# Altium PCB OCP-TimeCardMini-TI_V1.PcbDoc (part 1 of 11) (continued)
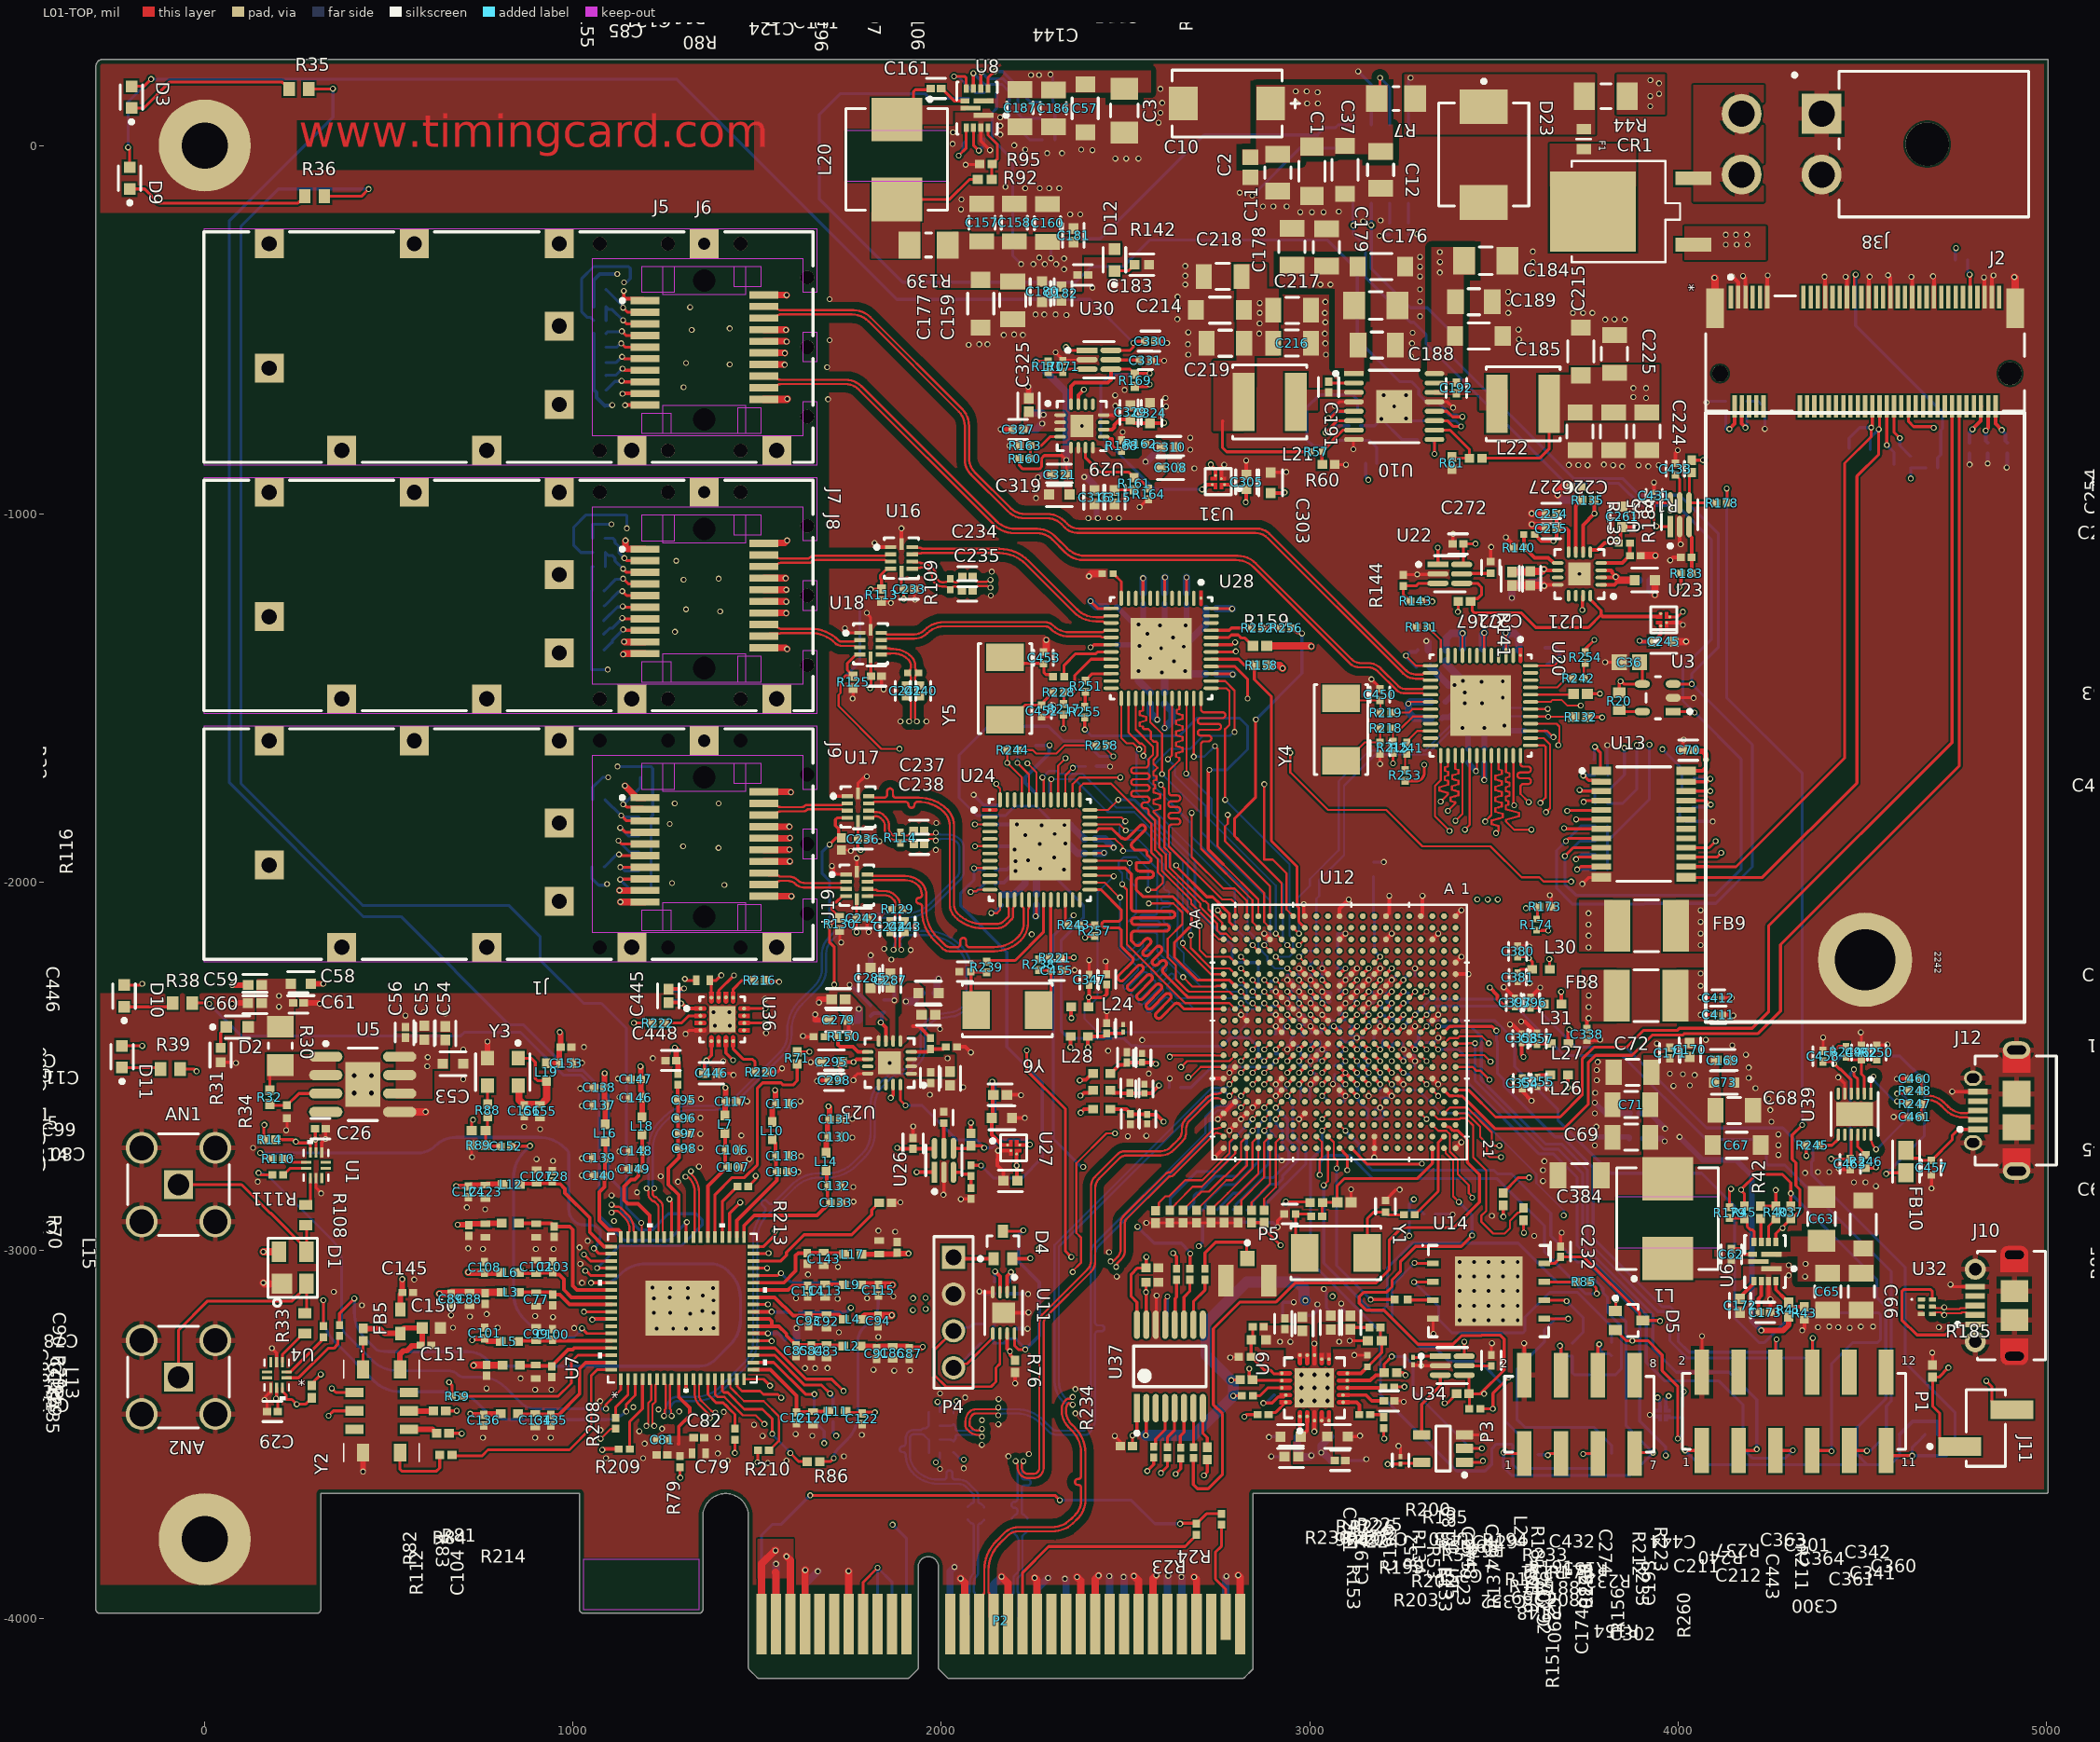
[diagram p0: L01-TOP view]
## Components (designator, comment, footprint, x,y, rotation, side; value= is the part's Value field where it differs from the comment) (continued)
C42 "0.1uF_25V_0402" FP-0402-L_1_0_1-W_0_5_0_1-IPC_C 1592.52,-1818.86 r0 bottom
C43 "10uF_6.3V_0603" FP-C0603C106M9PACTU-MFG 1306.85,-1981.15 r270 bottom value=10uF
C44 "CAP_0402_0.1UF_50V" CAPC1005X06N 2071.96,-3713.88 r90 bottom value=0.1UF
C45 "CAP_0402_0.1UF_50V" CAPC1005X06N 2116.36,-3714.17 r90 bottom value=0.1UF
C46 "CAP_0402_0.1UF_50V" CAPC1005X06N 2191.32,-3744.49 r90 bottom value=0.1UF
C47 "CAP_0402_0.1UF_50V" CAPC1005X06N 2233.3,-3744.49 r90 bottom value=0.1UF
C48 "4.7uF_10V_0603" CAPC1608X87X35NL15T15 1363.41,-1981.15 r90 bottom
C49 "0.1uF_25V_0402" FP-0402-L_1_0_1-W_0_5_0_1-IPC_C 1345.53,-1906.34 r180 bottom
C50 "10uF_6.3V_0603" FP-C0603C106M9PACTU-MFG 1471.37,-2025.44 r270 bottom value=10uF
C51 "4.7uF_10V_0603" CAPC1608X87X35NL15T15 1535.9,-1985.08 r90 bottom
C52 "0.1uF_25V_0402" FP-0402-L_1_0_1-W_0_5_0_1-IPC_C 1599.27,-1975.78 r0 bottom
C53 "10uF_16V_0603" FP-0603-L_1_6_0_2-W_0_8_0-MFG 673.97,-2492.86 r0 top
C54 "2.2uF_16V_0402" FP-C1005-050-0_05-IPC_A 652.86,-2410.66 r90 top
C55 "1uF_16V_0402" FP-0402-L_1_0_0_05-W_0_5-IPC_A 596.56,-2408.79 r90 top
C56 "0.1uF_25V_0402" FP-0402-L_1_0_1-W_0_5_0_1-IPC_C 545.1,-2407.71 r90 top
C57 "47uF_25V_1206" FP-C3216-160-0_2-MFG 2390.58,101.23 r270 top
C58 "10uF_16V_0603" FP-0603-L_1_6_0_2-W_0_8_0-MFG 260.95,-2275.85 r0 top
C59 "2.2uF_16V_0402" FP-C1005-050-0_05-IPC_A 135.83,-2279.43 r180 top
C60 "1uF_16V_0402" FP-0402-L_1_0_0_05-W_0_5-IPC_A 135.83,-2328.24 r180 top
C61 "0.1uF_25V_0402" FP-0402-L_1_0_1-W_0_5_0_1-IPC_C 254.11,-2328.24 r0 top
C62 "0.1uF_25V_0402" FP-0402-L_1_0_1-W_0_5_0_1-IPC_C 4144.81,-3010.48 r90 top
C63 "10uF_25V_1206" FP-1206-L_3_2_0_2-W_1_6_0-IPC_A 4389.54,-2914.41 r90 top
C64 "47uF_25V_1206" FP-C3216-160-0_2-MFG 4503.32,-2929.26 r90 top
C65 "4.7uF_50V_1206" FP-GRM31C-0_2-e0_3_0_8-IPC_C 4406.55,-3111.86 r270 top
C66 "4.7uF_50V_1206" FP-GRM31C-0_2-e0_3_0_8-IPC_C 4497.6,-3111.86 r270 top
C67 "47uF_16V_1206" FP-C3216-160-0_2-MFG 4159.32,-2714.42 r0 top
C68 "22uF_6.3V_1206" FP-1206-L_3_2_0_2-W_1_6_0-IPC_C 4152.74,-2619.93 r0 top
C69 "22uF_6.3V_1206" FP-1206-L_3_2_0_2-W_1_6_0-IPC_C 3873.21,-2692.37 r180 top
C70 "0.1uF_25V_0402" FP-0402-L_1_0_1-W_0_5_0_1-IPC_C 4027.73,-1641.73 r180 top
C71 "22uF_6.3V_1206" FP-1206-L_3_2_0_2-W_1_6_0-IPC_C 3873.21,-2604.18 r180 top
C72 "22uF_6.3V_1206" FP-1206-L_3_2_0_2-W_1_6_0-IPC_C 3876.82,-2516.44 r180 top
C73 "10uF_16V_0603" FP-0603-L_1_6_0_2-W_0_8_0-MFG 4125.64,-2543.79 r0 top
C74 "2.2nF_25V_0402" CAPC1005X56X25LL10T15 1591.32,-3242.9 r180 bottom
C75 "10uF_10V_0402" FP-CL05A106MP5NUNC-MFG 1103.88,-3186.13 r0 bottom value=10uF
C76 "0.1uF_25V_0402" FP-0402-L_1_0_1-W_0_5_0_1-IPC_C 2203.16,-3225.52 r90 bottom
C77 "10uF_10V_0402" FP-CL05A106MP5NUNC-MFG 899.58,-3133.15 r270 top value=10uF
C78 "0.1uF_25V_0402" FP-0402-L_1_0_1-W_0_5_0_1-IPC_C 945.4,-3134.53 r270 top
C79 "10uF_10V_0402" FP-CL05A106MP5NUNC-MFG 1341.1,-3551.17 r0 top value=10uF
C80 "0.1uF_25V_0402" FP-0402-L_1_0_1-W_0_5_0_1-IPC_C 1241.55,-3554.93 r180 top
C81 "0.1uF_25V_0402" FP-0402-L_1_0_1-W_0_5_0_1-IPC_C 1242.94,-3513.54 r180 top
C82 "0.1uF_25V_0402" FP-0402-L_1_0_1-W_0_5_0_1-IPC_C 1341.94,-3508.62 r0 top
C83 "10uF_10V_0402" FP-CL05A106MP5NUNC-MFG 1688.51,-3273.53 r270 top value=10uF
C84 "0.1uF_25V_0402" FP-0402-L_1_0_1-W_0_5_0_1-IPC_C 1647.11,-3272.45 r270 top
C85 "0.1uF_25V_0402" FP-0402-L_1_0_1-W_0_5_0_1-IPC_C 1605.34,-3272.67 r270 top
C86 "10uF_10V_0402" FP-CL05A106MP5NUNC-MFG 1867.63,-3278.23 r270 top value=10uF
C87 "0.1uF_25V_0402" FP-0402-L_1_0_1-W_0_5_0_1-IPC_C 1913.16,-3279.72 r270 top
C88 "10uF_10V_0402" FP-CL05A106MP5NUNC-MFG 719.26,-3132.06 r270 top value=10uF
C89 "0.1uF_25V_0402" FP-0402-L_1_0_1-W_0_5_0_1-IPC_C 668.6,-3132.06 r270 top
C90 "0.1uF_25V_0402" FP-0402-L_1_0_1-W_0_5_0_1-IPC_C 761.37,-3131.04 r270 top
C91 "0.1uF_25V_0402" FP-0402-L_1_0_1-W_0_5_0_1-IPC_C 1824.35,-3279.72 r270 top
C92 "10uF_10V_0402" FP-CL05A106MP5NUNC-MFG 1688.51,-3193.09 r270 top value=10uF
C93 "0.1uF_25V_0402" FP-0402-L_1_0_1-W_0_5_0_1-IPC_C 1640.04,-3191.81 r270 top
C94 "0.1uF_25V_0402" FP-0402-L_1_0_1-W_0_5_0_1-IPC_C 1828.29,-3191.3 r270 top
C95 "10uF_10V_0402" FP-CL05A106MP5NUNC-MFG 1301.28,-2591.7 r0 top value=10uF
C96 "0.1uF_25V_0402" FP-0402-L_1_0_1-W_0_5_0_1-IPC_C 1301.28,-2641.16 r0 top
C97 "0.1uF_25V_0402" FP-0402-L_1_0_1-W_0_5_0_1-IPC_C 1302.29,-2682.64 r0 top
C98 "0.1uF_25V_0402" FP-0402-L_1_0_1-W_0_5_0_1-IPC_C 1301.72,-2723.88 r0 top
C99 "10uF_10V_0402" FP-CL05A106MP5NUNC-MFG 899.58,-3226.81 r90 top value=10uF
C100 "0.1uF_25V_0402" FP-0402-L_1_0_1-W_0_5_0_1-IPC_C 944.22,-3228.02 r90 top
C101 "0.1uF_25V_0402" FP-0402-L_1_0_1-W_0_5_0_1-IPC_C 759.84,-3224.02 r90 top
C102 "10uF_10V_0402" FP-CL05A106MP5NUNC-MFG 900.02,-3044.22 r90 top value=10uF
C103 "0.1uF_25V_0402" FP-0402-L_1_0_1-W_0_5_0_1-IPC_C 945.4,-3044.22 r90 top
C104 "10uF_10V_0402" FP-CL05A106MP5NUNC-MFG 1353.1,-2266.73 r180 top value=10uF
C105 "0.1uF_25V_0402" FP-0402-L_1_0_1-W_0_5_0_1-IPC_C 1375.54,-2518.84 r0 bottom
C106 "10uF_10V_0402" FP-CL05A106MP5NUNC-MFG 1431.35,-2727.28 r0 top value=10uF
C107 "0.1uF_25V_0402" FP-0402-L_1_0_1-W_0_5_0_1-IPC_C 1433.4,-2773.62 r0 top
C108 "0.1uF_25V_0402" FP-0402-L_1_0_1-W_0_5_0_1-IPC_C 759.4,-3045.71 r90 top
C109 "10uF_10V_0402" FP-CL05A106MP5NUNC-MFG 761.37,-2946.1 r270 top value=10uF
C110 "0.1uF_25V_0402" FP-0402-L_1_0_1-W_0_5_0_1-IPC_C 717.54,-2946.1 r270 top
C111 "10uF_10V_0402" FP-CL05A106MP5NUNC-MFG 900.02,-2946.1 r270 top value=10uF
C112 "0.1uF_25V_0402" FP-0402-L_1_0_1-W_0_5_0_1-IPC_C 948.19,-2949.06 r270 top
C113 "10uF_10V_0402" FP-CL05A106MP5NUNC-MFG 1684.33,-3109.7 r270 top value=10uF
C114 "0.1uF_25V_0402" FP-0402-L_1_0_1-W_0_5_0_1-IPC_C 1637,-3109.96 r270 top
C115 "0.1uF_25V_0402" FP-0402-L_1_0_1-W_0_5_0_1-IPC_C 1828.73,-3107.58 r270 top
C116 "10uF_10V_0402" FP-CL05A106MP5NUNC-MFG 1567.43,-2601.54 r0 top value=10uF
C117 "0.1uF_25V_0402" FP-0402-L_1_0_1-W_0_5_0_1-IPC_C 1428.81,-2595.19 r0 top
C118 "10uF_10V_0402" FP-CL05A106MP5NUNC-MFG 1567.43,-2743.66 r0 top value=10uF
C119 "0.1uF_25V_0402" FP-0402-L_1_0_1-W_0_5_0_1-IPC_C 1567.43,-2786.25 r0 top
C120 "10uF_10V_0402" FP-CL05A106MP5NUNC-MFG 1651.26,-3455.47 r270 top value=10uF
C121 "0.1uF_25V_0402" FP-0402-L_1_0_1-W_0_5_0_1-IPC_C 1606.95,-3454.97 r270 top
C122 "0.1uF_25V_0402" FP-0402-L_1_0_1-W_0_5_0_1-IPC_C 1784.68,-3457.16 r270 top
C123 "10uF_10V_0402" FP-CL05A106MP5NUNC-MFG 761.88,-2840.47 r270 top value=10uF
C124 "0.1uF_25V_0402" FP-0402-L_1_0_1-W_0_5_0_1-IPC_C 716.36,-2840.71 r270 top
C125 "10uF_10V_0402" FP-CL05A106MP5NUNC-MFG 899.15,-3328.96 r270 top value=10uF
C126 "0.1uF_25V_0402" FP-0402-L_1_0_1-W_0_5_0_1-IPC_C 942.24,-3329.49 r270 top
C127 "10uF_10V_0402" FP-CL05A106MP5NUNC-MFG 900.97,-2799.46 r90 top value=10uF
C128 "0.1uF_25V_0402" FP-0402-L_1_0_1-W_0_5_0_1-IPC_C 943.37,-2798.67 r90 top
C129 "0.1uF_25V_0402" FP-0402-L_1_0_1-W_0_5_0_1-IPC_C 765.49,-3325.73 r270 top
C130 "10uF_10V_0402" FP-CL05A106MP5NUNC-MFG 1708.95,-2692.03 r0 top value=10uF
C131 "0.1uF_25V_0402" FP-0402-L_1_0_1-W_0_5_0_1-IPC_C 1710.66,-2643.79 r0 top
C132 "10uF_10V_0402" FP-CL05A106MP5NUNC-MFG 1708.95,-2824.5 r0 top value=10uF
C133 "0.1uF_25V_0402" FP-0402-L_1_0_1-W_0_5_0_1-IPC_C 1713.19,-2870.18 r0 top
C134 "10uF_10V_0402" FP-CL05A106MP5NUNC-MFG 897.15,-3460.76 r270 top value=10uF
C135 "0.1uF_25V_0402" FP-0402-L_1_0_1-W_0_5_0_1-IPC_C 939.26,-3460.76 r270 top
C136 "0.1uF_25V_0402" FP-0402-L_1_0_1-W_0_5_0_1-IPC_C 757.26,-3460.76 r270 top
C137 "10uF_10V_0402" FP-CL05A106MP5NUNC-MFG 1071.24,-2605.77 r180 top value=10uF
C138 "0.1uF_25V_0402" FP-0402-L_1_0_1-W_0_5_0_1-IPC_C 1071.24,-2558.06 r180 top
C139 "10uF_10V_0402" FP-CL05A106MP5NUNC-MFG 1070.55,-2748.83 r180 top value=10uF
C140 "0.1uF_25V_0402" FP-0402-L_1_0_1-W_0_5_0_1-IPC_C 1070.55,-2796.73 r180 top
C141 "10uF_10V_0402" FP-CL05A106MP5NUNC-MFG 1831.47,-2991.88 r90 top value=10uF
C142 "0.1uF_25V_0402" FP-0402-L_1_0_1-W_0_5_0_1-IPC_C 1880.02,-2991.88 r90 top
C143 "10uF_10V_0402" FP-CL05A106MP5NUNC-MFG 1681.14,-3022.88 r270 top value=10uF
C144 "0.1uF_25V_0402" FP-0402-L_1_0_1-W_0_5_0_1-IPC_C 1635.1,-3021.64 r270 top
C145 "0.1uF_50V_0402" FP-C1005-050-0_05-IPC_C 551,-3114.37 r180 top
C146 "10uF_10V_0402" FP-CL05A106MP5NUNC-MFG 1169.92,-2585.66 r180 top value=10uF
C147 "0.1uF_25V_0402" FP-0402-L_1_0_1-W_0_5_0_1-IPC_C 1169.92,-2534.96 r180 top
C148 "10uF_10V_0402" FP-CL05A106MP5NUNC-MFG 1170.34,-2728.98 r180 top value=10uF
C149 "0.1uF_25V_0402" FP-0402-L_1_0_1-W_0_5_0_1-IPC_C 1164.56,-2778.5 r180 top
C150 "10uF_25V_0603" FP-CL10-IPC_C 615.04,-3210.51 r0 top
C151 "0.1uF_50V_0402" FP-C1005-050-0_05-IPC_C 600.38,-3257.67 r180 top
C152 "0.1uF_25V_0402" FP-0402-L_1_0_1-W_0_5_0_1-IPC_C 817.65,-2717.03 r0 top
C153 "10uF_10V_0402" FP-CL05A106MP5NUNC-MFG 980.78,-2491.29 r0 top value=10uF
C154 "0.1uF_25V_0402" FP-0402-L_1_0_1-W_0_5_0_1-IPC_C 980.78,-2448.42 r0 top
C155 "10uF_10V_0402" FP-CL05A106MP5NUNC-MFG 910.5,-2622.27 r270 top value=10uF
C156 "0.1uF_25V_0402" FP-0402-L_1_0_1-W_0_5_0_1-IPC_C 867.15,-2620.53 r270 top
C157 "22uF_6.3V_1206" FP-1206-L_3_2_0_2-W_1_6_0-IPC_C 2109.88,-209.41 r90 top
C158 "22uF_6.3V_1206" FP-1206-L_3_2_0_2-W_1_6_0-IPC_C 2198.04,-209.41 r90 top
C159 "22uF_6.3V_1206" FP-1206-L_3_2_0_2-W_1_6_0-IPC_C 2193.73,-420.08 r270 top
C160 "22uF_6.3V_1206" FP-1206-L_3_2_0_2-W_1_6_0-IPC_C 2287.91,-210.57 r90 top
C161 "0.1uF_25V_0402" FP-0402-L_1_0_1-W_0_5_0_1-IPC_C 1985.07,154.99 r0 top
C162 "1uF_16V_0402" FP-0402-L_1_0_0_05-W_0_5-IPC_A 2067.58,32.77 r90 bottom
C163 "DNI_0.1uF_25V_0402" FP-0402-L_1_0_1-W_0_5_0_1-IPC_C 2114.83,32.77 r90 bottom
C164 "0.1uF_25V_0402" FP-0402-L_1_0_1-W_0_5_0_1-IPC_C 4129.48,-708.68 r90 bottom
C165 "0.1uF_25V_0402" FP-0402-L_1_0_1-W_0_5_0_1-IPC_C 4187.01,-708.68 r90 bottom
C166 "0.1uF_25V_0402" FP-0402-L_1_0_1-W_0_5_0_1-IPC_C 4791.34,-821.85 r270 bottom
C167 "0.1uF_25V_0402" FP-0402-L_1_0_1-W_0_5_0_1-IPC_C 4840.55,-821.85 r270 bottom
C168 "0.1uF_25V_0402" FP-0402-L_1_0_1-W_0_5_0_1-IPC_C 4893.7,-821.85 r270 bottom
C169 "2.2uF_16V_0402" FP-C1005-050-0_05-IPC_A 4121.6,-2483.78 r0 top
C170 "1uF_16V_0402" FP-0402-L_1_0_0_05-W_0_5-IPC_A 4032.17,-2455.51 r90 top
C171 "0.1uF_25V_0402" FP-0402-L_1_0_1-W_0_5_0_1-IPC_C 3977.93,-2463.59 r90 top
C172 "1uF_16V_0402" FP-0402-L_1_0_0_05-W_0_5-IPC_A 4168.43,-3149.85 r270 top
C173 "DNI_0.1uF_25V_0402" FP-0402-L_1_0_1-W_0_5_0_1-IPC_C 4236.15,-3168.35 r0 top
C174 "0.01uF_50V_0402" CAPC1005X55X30LL05T10 2860.26,-3207.04 r180 top
C175 "10uF_25V_1206" FP-1206-L_3_2_0_2-W_1_6_0-IPC_A 3179.39,-434.52 r0 top
C176 "47uF_25V_1206" FP-C3216-160-0_2-MFG 3194.63,-328.97 r0 top
C177 "47uF_16V_1206" FP-C3216-160-0_2-MFG 2106.95,-429.55 r270 top
C178 "4.7uF_50V_1206" FP-GRM31C-0_2-e0_3_0_8-IPC_C 2952.05,-274.73 r90 top
C179 "4.7uF_50V_1206" FP-GRM31C-0_2-e0_3_0_8-IPC_C 3045.46,-276.61 r90 top
C180 "10uF_16V_0603" FP-0603-L_1_6_0_2-W_0_8_0-MFG 2273.66,-396.84 r270 top
C181 "2.2uF_16V_0402" FP-C1005-050-0_05-IPC_A 2358.5,-244.24 r90 top
C182 "1uF_16V_0402" FP-0402-L_1_0_0_05-W_0_5-IPC_A 2325.69,-401.6 r270 top
C183 "0.1uF_25V_0402" FP-0402-L_1_0_1-W_0_5_0_1-IPC_C 2384.28,-351.56 r0 top
C184 "10uF_25V_1206" FP-1206-L_3_2_0_2-W_1_6_0-IPC_A 3478.27,-313.02 r0 top
C185 "47uF_25V_1206" FP-C3216-160-0_2-MFG 3459.24,-517.11 r0 top
C186 "4.7uF_50V_1206" FP-GRM31C-0_2-e0_3_0_8-IPC_C 2303.97,101.23 r270 top
C187 "4.7uF_50V_1206" FP-GRM31C-0_2-e0_3_0_8-IPC_C 2213.42,101.67 r270 top
C188 "4.7uF_50V_1206" FP-GRM31C-0_2-e0_3_0_8-IPC_C 3182.04,-541.78 r0 top
C189 "4.7uF_50V_1206" FP-GRM31C-0_2-e0_3_0_8-IPC_C 3446.02,-424.05 r0 top
C190 "0.1uF_25V_0402" FP-0402-L_1_0_1-W_0_5_0_1-IPC_C 2918.46,-3392.68 r0 bottom
C191 "0.1uF_25V_0402" FP-0402-L_1_0_1-W_0_5_0_1-IPC_C 3051.18,-655.47 r270 top
C192 "0.1uF_25V_0402" FP-0402-L_1_0_1-W_0_5_0_1-IPC_C 3398.19,-658.42 r90 top
C193 "0.01uF_50V_0402" CAPC1005X55X30LL05T10 3177.33,-3209.24 r180 top
C194 "0.1uF_25V_0402" FP-0402-L_1_0_1-W_0_5_0_1-IPC_C 3215.91,-3408.86 r0 top
C195 "0.01uF_50V_0402" CAPC1005X55X30LL05T10 3122.28,-760.53 r180 bottom
C196 "0.01uF_50V_0402" CAPC1005X55X30LL05T10 3338.69,-747.06 r180 bottom
C197 "10uF_16V_0603" FP-0603-L_1_6_0_2-W_0_8_0-MFG 2948.23,-3505.43 r180 top
C198 "2.2uF_16V_0402" FP-C1005-050-0_05-IPC_A 2948.23,-3505.43 r180 bottom
C199 "1uF_16V_0402" FP-0402-L_1_0_0_05-W_0_5-IPC_A 2950.31,-3560 r180 top
C200 "0.1uF_25V_0402" FP-0402-L_1_0_1-W_0_5_0_1-IPC_C 2955.07,-3560 r180 bottom
C201 "10uF_16V_0603" FP-0603-L_1_6_0_2-W_0_8_0-MFG 3075.59,-3505.36 r0 top
C202 "2.2uF_16V_0402" FP-C1005-050-0_05-IPC_A 3075.59,-3505.36 r0 bottom
C203 "1uF_16V_0402" FP-0402-L_1_0_0_05-W_0_5-IPC_A 3077.38,-3570.08 r0 bottom
C204 "0.1uF_25V_0402" FP-0402-L_1_0_1-W_0_5_0_1-IPC_C 3082.14,-3570.08 r0 top
C205 "10uF_16V_0603" FP-0603-L_1_6_0_2-W_0_8_0-MFG 2980.28,-3203.93 r90 bottom
C206 "2.2uF_16V_0402" FP-C1005-050-0_05-IPC_A 2926.77,-3197.62 r90 bottom
C207 "1uF_16V_0402" FP-0402-L_1_0_0_05-W_0_5-IPC_A 2980.28,-3199.17 r90 top
C208 "0.1uF_25V_0402" FP-0402-L_1_0_1-W_0_5_0_1-IPC_C 2932.85,-3199.17 r90 top
C209 "1uF_16V_0402" FP-0402-L_1_0_0_05-W_0_5-IPC_A 3312.01,-798.24 r0 bottom
C210 "10uF_16V_0603" FP-0603-L_1_6_0_2-W_0_8_0-MFG 3057.82,-3195.77 r90 bottom
C211 "2.2uF_16V_0402" FP-C1005-050-0_05-IPC_A 3110.14,-3195.77 r90 top
C212 "1uF_16V_0402" FP-0402-L_1_0_0_05-W_0_5-IPC_A 3057.82,-3195.77 r90 top
C213 "0.1uF_25V_0402" FP-0402-L_1_0_1-W_0_5_0_1-IPC_C 3110.14,-3195.77 r90 bottom
C214 "47uF_16V_1206" FP-C3216-160-0_2-MFG 2755.93,-446.86 r180 top
C215 "47uF_16V_1206" FP-C3216-160-0_2-MFG 3735.69,-558.97 r90 top
C216 "22uF_6.3V_1206" FP-1206-L_3_2_0_2-W_1_6_0-IPC_C 2952.05,-536.26 r0 top
C217 "22uF_6.3V_1206" FP-1206-L_3_2_0_2-W_1_6_0-IPC_C 2952.51,-447.32 r0 top
C218 "22uF_6.3V_1206" FP-1206-L_3_2_0_2-W_1_6_0-IPC_C 2763.68,-355.64 r180 top
C219 "22uF_6.3V_1206" FP-1206-L_3_2_0_2-W_1_6_0-IPC_C 2770.98,-536.72 r180 top
C220 "10uF_16V_0603" FP-0603-L_1_6_0_2-W_0_8_0-MFG 2785.64,-553.22 r180 bottom
C221 "2.2uF_16V_0402" FP-C1005-050-0_05-IPC_A 2933.27,-547.08 r0 bottom
C222 "1uF_16V_0402" FP-0402-L_1_0_0_05-W_0_5-IPC_A 2792.53,-513 r180 bottom
C223 "0.1uF_25V_0402" FP-0402-L_1_0_1-W_0_5_0_1-IPC_C 2925.2,-497.5 r0 bottom
C224 "22uF_6.3V_1206" FP-1206-L_3_2_0_2-W_1_6_0-IPC_C 3915.4,-776.06 r270 top
C225 "22uF_6.3V_1206" FP-1206-L_3_2_0_2-W_1_6_0-IPC_C 3827.6,-565.66 r90 top
C226 "22uF_6.3V_1206" FP-1206-L_3_2_0_2-W_1_6_0-IPC_C 3824.85,-776.06 r270 top
C227 "22uF_6.3V_1206" FP-1206-L_3_2_0_2-W_1_6_0-IPC_C 3733.96,-776.06 r270 top
C228 "10uF_16V_0603" FP-0603-L_1_6_0_2-W_0_8_0-MFG 3728.45,-766.57 r270 bottom
C229 "2.2uF_16V_0402" FP-C1005-050-0_05-IPC_A 3731.99,-580.08 r90 bottom
C230 "1uF_16V_0402" FP-0402-L_1_0_0_05-W_0_5-IPC_A 3827.6,-583.9 r90 bottom
C231 "0.1uF_25V_0402" FP-0402-L_1_0_1-W_0_5_0_1-IPC_C 3794.02,-766.57 r270 bottom
C232 "0.1uF_25V_0402" FP-0402-L_1_0_1-W_0_5_0_1-IPC_C 3681.15,-3003.47 r90 top
C233 "0.1uF_25V_0402" FP-0402-L_1_0_1-W_0_5_0_1-IPC_C 1912.61,-1204.35 r0 top
C234 "0.1uF_25V_0402" FP-0402-L_1_0_1-W_0_5_0_1-IPC_C 2070.91,-1170.64 r180 top
C235 "0.1uF_25V_0402" FP-0402-L_1_0_1-W_0_5_0_1-IPC_C 2070.51,-1209.24 r180 top
C236 "0.1uF_25V_0402" FP-0402-L_1_0_1-W_0_5_0_1-IPC_C 1787.46,-1882.72 r0 top
C237 "0.1uF_25V_0402" FP-0402-L_1_0_1-W_0_5_0_1-IPC_C 1939.24,-1859.1 r180 top
C238 "0.1uF_25V_0402" FP-0402-L_1_0_1-W_0_5_0_1-IPC_C 1939.48,-1897.35 r180 top
C239 "0.1uF_25V_0402" FP-0402-L_1_0_1-W_0_5_0_1-IPC_C 1823.12,-1440.55 r0 top
C240 "0.1uF_25V_0402" FP-0402-L_1_0_1-W_0_5_0_1-IPC_C 1943.57,-1480.27 r90 top
C241 "0.1uF_25V_0402" FP-0402-L_1_0_1-W_0_5_0_1-IPC_C 1902.52,-1480.27 r90 top
C242 "0.1uF_25V_0402" FP-0402-L_1_0_1-W_0_5_0_1-IPC_C 1783.87,-2098.01 r0 top
C243 "0.1uF_25V_0402" FP-0402-L_1_0_1-W_0_5_0_1-IPC_C 1901.05,-2121.15 r90 top
C244 "0.1uF_25V_0402" FP-0402-L_1_0_1-W_0_5_0_1-IPC_C 1860.26,-2121.15 r90 top
C245 "10uF_16V_0603" FP-0603-L_1_6_0_2-W_0_8_0-MFG 3961.08,-1346.75 r0 top
C246 "2.2uF_16V_0402" FP-C1005-050-0_05-IPC_A 3429.7,-1656.36 r90 bottom
C247 "1uF_16V_0402" FP-0402-L_1_0_0_05-W_0_5-IPC_A 3348.9,-1510.66 r0 bottom
C248 "0.1uF_25V_0402" FP-0402-L_1_0_1-W_0_5_0_1-IPC_C 3344.19,-1554.74 r0 bottom
C249 "0.1uF_25V_0402" FP-0402-L_1_0_1-W_0_5_0_1-IPC_C 3961.08,-1346.75 r0 bottom
C250 "10uF_16V_0603" FP-0603-L_1_6_0_2-W_0_8_0-MFG 3610.59,-1589.15 r180 bottom
C251 "2.2uF_16V_0402" FP-C1005-050-0_05-IPC_A 3473.78,-1656.36 r90 bottom
C252 "1uF_16V_0402" FP-0402-L_1_0_0_05-W_0_5-IPC_A 3469.07,-1384.66 r270 bottom
C253 "0.1uF_25V_0402" FP-0402-L_1_0_1-W_0_5_0_1-IPC_C 3655.85,-999.45 r180 bottom
C254 "0.1uF_25V_0402" FP-0402-L_1_0_1-W_0_5_0_1-IPC_C 3655.85,-999.45 r180 top
C255 "0.1uF_25V_0402" FP-0402-L_1_0_1-W_0_5_0_1-IPC_C 3655.85,-1040.14 r180 top
C256 "10uF_16V_0603" FP-0603-L_1_6_0_2-W_0_8_0-MFG 3744.06,-962.89 r180 bottom
C257 "2.2uF_16V_0402" FP-C1005-050-0_05-IPC_A 3626.86,-1409.51 r180 bottom
C258 "1uF_16V_0402" FP-0402-L_1_0_0_05-W_0_5-IPC_A 3308.66,-1415.57 r0 bottom
C259 "0.1uF_25V_0402" FP-0402-L_1_0_1-W_0_5_0_1-IPC_C 3307.28,-1370.27 r0 bottom
C260 "0.1uF_25V_0402" FP-0402-L_1_0_1-W_0_5_0_1-IPC_C 3625.87,-1363.85 r180 bottom
C261 "10uF_16V_0603" FP-0603-L_1_6_0_2-W_0_8_0-MFG 3848.3,-1008.09 r90 top
C262 "2.2uF_16V_0402" FP-C1005-050-0_05-IPC_A 3414.73,-1384.66 r270 bottom
C263 "1uF_16V_0402" FP-0402-L_1_0_0_05-W_0_5-IPC_A 3532.84,-1384.66 r270 bottom
C264 "0.1uF_25V_0402" FP-0402-L_1_0_1-W_0_5_0_1-IPC_C 3370.64,-1384.66 r270 bottom
C265 "0.1uF_25V_0402" FP-0402-L_1_0_1-W_0_5_0_1-IPC_C 3567.97,-1384.16 r270 bottom
C266 "10uF_16V_0603" FP-0603-L_1_6_0_2-W_0_8_0-MFG 3910.01,-1179.72 r0 top
C267 "2.2uF_16V_0402" FP-C1005-050-0_05-IPC_A 3549.01,-1176.96 r270 top
C268 "1uF_16V_0402" FP-0402-L_1_0_0_05-W_0_5-IPC_A 3549.01,-1173.15 r270 bottom
C269 "0.1uF_25V_0402" FP-0402-L_1_0_1-W_0_5_0_1-IPC_C 3598.55,-1170.2 r270 bottom
C270 "0.1uF_25V_0402" FP-0402-L_1_0_1-W_0_5_0_1-IPC_C 3910.01,-1179.72 r0 bottom
C271 "1uF_16V_0402" FP-0402-L_1_0_0_05-W_0_5-IPC_A 3598.55,-1174.96 r270 top locked
C272 "0.1uF_25V_0402" FP-0402-L_1_0_1-W_0_5_0_1-IPC_C 3402.68,-1081.83 r180 top
C273 "100pF_50V_0402" FP-C0402-BB-MFG 3491.23,-1144.98 r90 top value="100 pF"
C274 "10uF_16V_0603" FP-0603-L_1_6_0_2-W_0_8_0-MFG 2164.16,-2640.07 r0 top
C275 "2.2uF_16V_0402" FP-C1005-050-0_05-IPC_A 2159.84,-2577.35 r0 top
C276 "1uF_16V_0402" FP-0402-L_1_0_0_05-W_0_5-IPC_A 2164.16,-2639.63 r0 bottom
C277 "0.1uF_25V_0402" FP-0402-L_1_0_1-W_0_5_0_1-IPC_C 2403.56,-1922.09 r180 bottom
C278 "0.1uF_25V_0402" FP-0402-L_1_0_1-W_0_5_0_1-IPC_C 2257.87,-2048.1 r90 bottom
C279 "10uF_16V_0603" FP-0603-L_1_6_0_2-W_0_8_0-MFG 1720.24,-2373.95 r180 top
C280 "2.2uF_16V_0402" FP-C1005-050-0_05-IPC_A 1720.05,-2318.23 r180 top
C281 "1uF_16V_0402" FP-0402-L_1_0_0_05-W_0_5-IPC_A 1720.24,-2374.39 r180 bottom
C282 "0.1uF_25V_0402" FP-0402-L_1_0_1-W_0_5_0_1-IPC_C 2406.52,-1685.38 r0 bottom
C283 "0.1uF_25V_0402" FP-0402-L_1_0_1-W_0_5_0_1-IPC_C 2403.56,-1882.72 r180 bottom
C284 "0.1uF_25V_0402" FP-0402-L_1_0_1-W_0_5_0_1-IPC_C 2140.85,-1902.89 r0 bottom
C285 "10uF_16V_0603" FP-0603-L_1_6_0_2-W_0_8_0-MFG 1807.74,-2260.44 r90 top
C286 "2.2uF_16V_0402" FP-C1005-050-0_05-IPC_A 1807.3,-2260.44 r90 bottom
C287 "1uF_16V_0402" FP-0402-L_1_0_0_05-W_0_5-IPC_A 1861.19,-2266.73 r90 top
C288 "0.1uF_25V_0402" FP-0402-L_1_0_1-W_0_5_0_1-IPC_C 2164.16,-2048.1 r90 bottom
C289 "0.1uF_25V_0402" FP-0402-L_1_0_1-W_0_5_0_1-IPC_C 2159.45,-1776.4 r270 bottom
C290 "10uF_16V_0603" FP-0603-L_1_6_0_2-W_0_8_0-MFG 1965.07,-2301.62 r0 top
C291 "2.2uF_16V_0402" FP-C1005-050-0_05-IPC_A 1965.07,-2301.62 r0 bottom
C292 "1uF_16V_0402" FP-0402-L_1_0_0_05-W_0_5-IPC_A 1965.07,-2360.07 r0 top
C293 "0.1uF_25V_0402" FP-0402-L_1_0_1-W_0_5_0_1-IPC_C 2131.87,-1843.35 r0 bottom
C294 "0.1uF_25V_0402" FP-0402-L_1_0_1-W_0_5_0_1-IPC_C 2131.87,-1966.17 r0 bottom
C295 "10uF_16V_0603" FP-0603-L_1_6_0_2-W_0_8_0-MFG 1701.4,-2488.44 r180 top
C296 "2.2uF_16V_0402" FP-C1005-050-0_05-IPC_A 1701.4,-2488.44 r180 bottom
C297 "1uF_16V_0402" FP-0402-L_1_0_0_05-W_0_5-IPC_A 2187.14,-2811.15 r180 top
C298 "0.1uF_25V_0402" FP-0402-L_1_0_1-W_0_5_0_1-IPC_C 1708.25,-2538.19 r180 top
C299 "0.1uF_25V_0402" FP-0402-L_1_0_1-W_0_5_0_1-IPC_C 1970.44,-2531.17 r270 top
C300 "1uF_16V_0402" FP-0402-L_1_0_0_05-W_0_5-IPC_A 2023.22,-2533.3 r270 top
C301 "0.1uF_25V_0402" FP-0402-L_1_0_1-W_0_5_0_1-IPC_C 1923.24,-2709.56 r90 top
C302 "100pF_50V_0402" FP-C0402-BB-MFG 2006.62,-2639.02 r90 top value="100 pF"
C303 "10uF_16V_0603" FP-0603-L_1_6_0_2-W_0_8_0-MFG 2893.99,-915.72 r90 top
C304 "2.2uF_16V_0402" FP-C1005-050-0_05-IPC_A 2828.16,-913.5 r90 bottom
C305 "1uF_16V_0402" FP-0402-L_1_0_0_05-W_0_5-IPC_A 2828.16,-913.5 r90 top
C306 "0.1uF_25V_0402" FP-0402-L_1_0_1-W_0_5_0_1-IPC_C 2567.19,-1501.08 r90 bottom
C307 "0.1uF_25V_0402" FP-0402-L_1_0_1-W_0_5_0_1-IPC_C 2460.87,-1355.39 r0 bottom
C308 "10uF_16V_0603" FP-0603-L_1_6_0_2-W_0_8_0-MFG 2622.17,-874.57 r0 top
C309 "2.2uF_16V_0402" FP-C1005-050-0_05-IPC_A 2617.87,-818.33 r0 bottom
C310 "1uF_16V_0402" FP-0402-L_1_0_0_05-W_0_5-IPC_A 2617.87,-818.77 r0 top
C311 "0.1uF_25V_0402" FP-0402-L_1_0_1-W_0_5_0_1-IPC_C 2606.56,-1229.38 r270 bottom
C312 "0.1uF_25V_0402" FP-0402-L_1_0_1-W_0_5_0_1-IPC_C 2606.56,-1501.08 r90 bottom
C313 "0.1uF_25V_0402" FP-0402-L_1_0_1-W_0_5_0_1-IPC_C 2732.57,-1434.13 r180 bottom
C314 "10uF_16V_0603" FP-0603-L_1_6_0_2-W_0_8_0-MFG 2415.67,-950.36 r270 bottom
C315 "2.2uF_16V_0402" FP-C1005-050-0_05-IPC_A 2469.83,-955.12 r270 top
C316 "1uF_16V_0402" FP-0402-L_1_0_0_05-W_0_5-IPC_A 2415.67,-955.12 r270 top
C317 "0.1uF_25V_0402" FP-0402-L_1_0_1-W_0_5_0_1-IPC_C 2732.57,-1256.96 r180 bottom
C318 "0.1uF_25V_0402" FP-0402-L_1_0_1-W_0_5_0_1-IPC_C 2460.87,-1252.25 r0 bottom
C319 "10uF_16V_0603" FP-0603-L_1_6_0_2-W_0_8_0-MFG 2320.26,-947.78 r180 top
C320 "2.2uF_16V_0402" FP-C1005-050-0_05-IPC_A 2320.26,-894.41 r180 bottom
C321 "1uF_16V_0402" FP-0402-L_1_0_0_05-W_0_5-IPC_A 2320.26,-893.97 r180 top
C322 "0.1uF_25V_0402" FP-0402-L_1_0_1-W_0_5_0_1-IPC_C 2547.51,-1229.38 r270 bottom
C323 "0.1uF_25V_0402" FP-0402-L_1_0_1-W_0_5_0_1-IPC_C 2665.62,-1229.38 r270 bottom
C324 "10uF_16V_0603" FP-0603-L_1_6_0_2-W_0_8_0-MFG 2566.4,-726.59 r90 top
C325 "2.2uF_16V_0402" FP-C1005-050-0_05-IPC_A 2237.07,-704.91 r90 top
C326 "1uF_16V_0402" FP-0402-L_1_0_0_05-W_0_5-IPC_A 2194.11,-770.76 r180 bottom
C327 "0.1uF_25V_0402" FP-0402-L_1_0_1-W_0_5_0_1-IPC_C 2208.5,-770.76 r180 top
C328 "0.1uF_25V_0402" FP-0402-L_1_0_1-W_0_5_0_1-IPC_C 2238.97,-711.25 r90 bottom
C329 "1uF_16V_0402" FP-0402-L_1_0_0_05-W_0_5-IPC_A 2513.61,-724.61 r90 top
C330 "0.1uF_25V_0402" FP-0402-L_1_0_1-W_0_5_0_1-IPC_C 2567.19,-531.5 r0 top
C331 "100pF_50V_0402" FP-C0402-BB-MFG 2553.45,-583.37 r0 top value="100 pF"
C332 "1uF_6.3V_0201" FP-CL03-IPC_B 3203.13,-2376.13 r90 bottom
C333 "1uF_6.3V_0201" FP-CL03-IPC_B 3186.41,-2427.51 r0 bottom
C334 "1uF_6.3V_0201" FP-CL03-IPC_B 2895.81,-2280.82 r90 bottom
C335 "1uF_6.3V_0201" FP-CL03-IPC_B 2917.61,-2412.56 r0 bottom
C336 "1uF_6.3V_0201" FP-CL03-IPC_B 3014.81,-2532.64 r90 bottom
C337 "1uF_6.3V_0201" FP-CL03-IPC_B 3056.67,-2598.27 r135 bottom
C338 "3.3uF_4V_0402" CAPC1005X60X30LL05T10 3752.38,-2413.62 r90 top
C339 "1uF_6.3V_0201" FP-CL03-IPC_B 3067.8,-2509.85 r90 bottom
C340 "0.1uF_10V_0201" FP-GRM033-0_03-IPC_C 2923.36,-2531.71 r225 bottom
C341 "0.01uF_6.3V_0201" FP-GRM033-0_03-IPC_A 2511.73,-2558.97 r90 top
C342 "4.7uF_6.3V_0201" FP-GRM035-0_09-IPC_B 2550.99,-2561.02 r90 top
C343 "0.1uF_10V_0201" FP-GRM033-0_03-IPC_C 2988.59,-2472.07 r0 bottom
C344 "0.1uF_10V_0201" FP-GRM033-0_03-IPC_C 2954.84,-2442.78 r180 bottom
C345 "0.1uF_10V_0201" FP-GRM033-0_03-IPC_C 2983.47,-2374.69 r90 bottom
C346 "0.01uF_6.3V_0201" FP-GRM033-0_03-IPC_A 2970.98,-2418.73 r180 bottom
C347 "0.01uF_6.3V_0201" FP-GRM033-0_03-IPC_A 2401.26,-2265.58 r90 top
C348 "0.01uF_6.3V_0201" FP-GRM033-0_03-IPC_A 2448.82,-2264.26 r90 top
C349 "2.2uF_6.3V_0201" FP-CL03-IPC_C 2988.98,-2498.92 r0 bottom
C350 "0.1uF_10V_0201" FP-GRM033-0_03-IPC_C 2922.87,-2562.19 r180 bottom
C351 "0.01uF_6.3V_0201" FP-GRM033-0_03-IPC_A 2513.23,-2643.11 r270 top
C352 "4.7uF_6.3V_0201" FP-GRM035-0_09-IPC_B 2558.93,-2643.65 r270 top
C353 "0.1uF_10V_0201" FP-GRM033-0_03-IPC_C 3180.33,-2529.17 r180 bottom
C354 "0.01uF_6.3V_0201" FP-GRM033-0_03-IPC_A 3577.49,-2546.35 r270 top
C355 "4.7uF_6.3V_0201" FP-GRM035-0_09-IPC_B 3618.67,-2542.13 r270 top
C356 "0.1uF_10V_0201" FP-GRM033-0_03-IPC_C 3140.96,-2431.9 r90 bottom
C357 "0.01uF_6.3V_0201" FP-GRM033-0_03-IPC_A 3617.53,-2425.14 r90 top
C358 "4.7uF_6.3V_0201" FP-GRM035-0_09-IPC_B 3575.54,-2423.84 r90 top
C359 "0.1uF_10V_0201" FP-GRM033-0_03-IPC_C 2925.2,-2466.25 r0 bottom
C360 "0.01uF_6.3V_0201" FP-GRM033-0_03-IPC_A 2448.82,-2396.79 r90 top
C361 "2.2uF_6.3V_0201" FP-CL03-IPC_C 2493.16,-2396.79 r90 top
C362 "0.1uF_10V_0201" FP-GRM033-0_03-IPC_C 3018.81,-2432.65 r0 bottom
C363 "0.01uF_6.3V_0201" FP-GRM033-0_03-IPC_A 2503.43,-2476.01 r90 top
C364 "4.7uF_6.3V_0201" FP-GRM035-0_09-IPC_B 2545.08,-2477.23 r90 top
C365 "10uF_10V_0402" FP-CL05A106MP5NUNC-MFG 3886,-2696.51 r180 bottom value=10uF
C366 "4.7uF_6.3V_0201" FP-GRM035-0_09-IPC_B 3882.28,-2627.79 r180 bottom
C367 "1uF_6.3V_0201" FP-CL03-IPC_B 3064.76,-2468.22 r180 bottom
C368 "0.1uF_10V_0201" FP-GRM033-0_03-IPC_C 3149.5,-2470.85 r270 bottom
C369 "0.1uF_10V_0201" FP-GRM033-0_03-IPC_C 3065.15,-2444.65 r180 bottom
C370 "0.1uF_10V_0201" FP-GRM033-0_03-IPC_C 3146.92,-2343.61 r90 bottom
C371 "0.1uF_10V_0201" FP-GRM033-0_03-IPC_C 3109.31,-2403.43 r270 bottom
C372 "0.1uF_10V_0201" FP-GRM033-0_03-IPC_C 3112.6,-2316.25 r180 bottom
C373 "0.1uF_10V_0201" FP-GRM033-0_03-IPC_C 3080.67,-2283.53 r90 bottom
C374 "0.1uF_10V_0201" FP-GRM033-0_03-IPC_C 3017.92,-2315.42 r180 bottom
C375 "0.1uF_10V_0201" FP-GRM033-0_03-IPC_C 2986.09,-2286.14 r180 bottom
C376 "0.1uF_10V_0201" FP-GRM033-0_03-IPC_C 2954.52,-2341.61 r180 bottom
C377 "0.1uF_10V_0201" FP-GRM033-0_03-IPC_C 3019.57,-2372.7 r0 bottom
C378 "0.1uF_10V_0201" FP-GRM033-0_03-IPC_C 3018.23,-2407.31 r180 bottom
C379 "0.1uF_10V_0201" FP-GRM033-0_03-IPC_C 3207.2,-2342.12 r0 bottom
C380 "0.01uF_6.3V_0201" FP-GRM033-0_03-IPC_A 3564.69,-2188.21 r90 top
C381 "4.7uF_6.3V_0201" FP-GRM035-0_09-IPC_B 3564.69,-2258.53 r270 top
C382 "0.1uF_10V_0201" FP-GRM033-0_03-IPC_C 2955.3,-2314.85 r180 bottom
C383 "0.1uF_10V_0201" FP-GRM033-0_03-IPC_C 3056.68,-2313.42 r90 bottom
C384 "47uF_10V_1206" CAPC1206(3216)190_N 3733.17,-2795.94 r0 top value=47uF
C385 "4.7uF_6.3V_0201" FP-GRM035-0_09-IPC_B 2987.79,-2588.25 r0 bottom
C386 "1uF_6.3V_0201" FP-CL03-IPC_B 3239.49,-2436.86 r0 bottom
C387 "0.1uF_10V_0201" FP-GRM033-0_03-IPC_C 3082.11,-2565.78 r270 bottom
C388 "0.1uF_10V_0201" FP-GRM033-0_03-IPC_C 2988.81,-2562.8 r0 bottom
C389 "0.1uF_10V_0201" FP-GRM033-0_03-IPC_C 2955.42,-2373.79 r0 bottom
C390 "0.1uF_10V_0201" FP-GRM033-0_03-IPC_C 2896.19,-2346.77 r270 bottom
C391 "0.1uF_10V_0201" FP-GRM033-0_03-IPC_C 2951.44,-2280.63 r90 bottom
C392 "0.1uF_10V_0201" FP-GRM033-0_03-IPC_C 2953.6,-2252.87 r180 bottom
C393 "0.1uF_10V_0201" FP-GRM033-0_03-IPC_C 3019.73,-2253.1 r180 bottom
C394 "0.1uF_10V_0201" FP-GRM033-0_03-IPC_C 3022.21,-2221.31 r0 bottom
C395 "0.1uF_10V_0201" FP-GRM033-0_03-IPC_C 3172.86,-2379.11 r0 bottom
C396 "0.01uF_6.3V_0201" FP-GRM033-0_03-IPC_A 3599.26,-2327.04 r90 top
C397 "4.7uF_6.3V_0201" FP-GRM035-0_09-IPC_B 3557.37,-2326.89 r90 top
C398 "0.1uF_10V_0201" FP-GRM033-0_03-IPC_C 3143.65,-2567.62 r315 bottom
C399 "0.1uF_10V_0201" FP-GRM033-0_03-IPC_C 3273.74,-2498.32 r0 bottom
C400 "0.1uF_10V_0201" FP-GRM033-0_03-IPC_C 3191.51,-2575.95 r270 bottom
C401 "0.1uF_10V_0201" FP-GRM033-0_03-IPC_C 3209.08,-2312.97 r270 bottom
C402 "0.1uF_10V_0201" FP-GRM033-0_03-IPC_C 3268.16,-2313.33 r90 bottom
C403 "0.1uF_10V_0201" FP-GRM033-0_03-IPC_C 3238.15,-2373.32 r0 bottom
C404 "0.1uF_10V_0201" FP-GRM033-0_03-IPC_C 3279.25,-2377.9 r0 bottom
C405 "0.1uF_10V_0201" FP-GRM033-0_03-IPC_C 3270.7,-2473.34 r0 bottom
C406 "0.1uF_10V_0201" FP-GRM033-0_03-IPC_C 3269.49,-2534.65 r270 bottom
C407 "4.7uF_6.3V_0201" FP-GRM035-0_09-IPC_B 3057.85,-2356.26 r90 bottom
C408 "1uF_6.3V_0201" FP-CL03-IPC_B 3080.96,-2342.82 r90 bottom
C409 "0.1uF_10V_0201" FP-GRM033-0_03-IPC_C 3020.53,-2470.33 r90 bottom
C410 "0.1uF_10V_0201" FP-GRM033-0_03-IPC_C 3145.27,-2499.43 r0 bottom
C411 "4.7uF_6.3V_0201" FP-GRM035-0_09-IPC_B 4109.43,-2360.07 r0 top
C412 "0.1uF_10V_0201" FP-GRM033-0_03-IPC_C 4109.43,-2314.25 r0 top
C413 "10uF_10V_0402" FP-CL05A106MP5NUNC-MFG 2738.42,-608.37 r180 bottom value=10uF
C414 "4.7uF_6.3V_0201" FP-GRM035-0_09-IPC_B 3076.1,-2206.21 r90 bottom
C415 "1uF_6.3V_0201" FP-CL03-IPC_B 3172.17,-2314.71 r270 bottom
C416 "0.1uF_10V_0201" FP-GRM033-0_03-IPC_C 3276.54,-2253.92 r0 bottom
C417 "0.1uF_10V_0201" FP-GRM033-0_03-IPC_C 3144.68,-2285.23 r180 bottom
C418 "4.7uF_6.3V_0201" FP-GRM035-0_09-IPC_B 3085.25,-2411.91 r270 bottom
C419 "0.1uF_10V_0201" FP-GRM033-0_03-IPC_C 3208.88,-2474.04 r0 bottom
C420 "0.1uF_10V_0201" FP-GRM033-0_03-IPC_C 3247.9,-2411.19 r0 bottom
C421 "0.1uF_10V_0201" FP-GRM033-0_03-IPC_C 3054.44,-2405.1 r270 bottom
C422 "0.1uF_10V_0201" FP-GRM033-0_03-IPC_C 3208.09,-2498.14 r0 bottom
C423 "4.7uF_6.3V_0201" FP-GRM035-0_09-IPC_B 3303.23,-2433.6 r0 bottom
C424 "0.1uF_10V_0201" FP-GRM033-0_03-IPC_C 3111.43,-2590.65 r180 bottom
C425 "0.1uF_10V_0201" FP-GRM033-0_03-IPC_C 3143.92,-2526.72 r0 bottom
C426 "0.1uF_10V_0201" FP-GRM033-0_03-IPC_C 3168.5,-2616.83 r0 bottom
C427 "0.1uF_10V_0201" FP-GRM033-0_03-IPC_C 3296.19,-2405.61 r90 bottom
C428 "0.1uF_10V_0201" FP-GRM033-0_03-IPC_C 3166.86,-2642.22 r0 bottom
C429 "0.1uF_10V_0201" FP-GRM033-0_03-IPC_C 3246.68,-3570.08 r90 top
C430 "0.1uF_10V_0201" FP-GRM033-0_03-IPC_C 3280.18,-3300.41 r270 top
C431 "0.1uF_10V_0201" FP-GRM033-0_03-IPC_C 3935.25,-951.08 r90 top
C432 "10nF_50V_0402" FP-CL165-IPC_C 3493.23,-3298.74 r90 top
C433 "100pF_50V_0402" FP-C0402-BB-MFG 3992.58,-877.95 r90 top value="100 pF"
C434 "NFM15PC104D0J3D" FP-NFM15-0_1-MFG 3112.71,-2249.83 r315 bottom
C435 "NFM15PC104D0J3D" FP-NFM15-0_1-MFG 3176.75,-2248.79 r315 bottom
C436 "NFM15PC104D0J3D" FP-NFM15-0_1-MFG 3233.18,-2253.82 r135 bottom
C443 "16pF_50V_0402" FP-CBR04C-MFG 2946.43,-2901.37 r0 top value="16 pF"
C444 "16pF_50V_0402" FP-CBR04C-MFG 3205.5,-2879.97 r270 top value="16 pF"
C445 "2.2uF_16V_0402" FP-C1005-050-0_05-IPC_A 1258.82,-2308.77 r90 top
C446 "1uF_16V_0402" FP-0402-L_1_0_0_05-W_0_5-IPC_A 1375.54,-2518.84 r0 top
C447 "0.1uF_25V_0402" FP-0402-L_1_0_1-W_0_5_0_1-IPC_C 1258.82,-2308.77 r90 bottom
C448 "0.1uF_25V_0402" FP-0402-L_1_0_1-W_0_5_0_1-IPC_C 1265.21,-2484.19 r180 top
C449 "16pF_50V_0402" FP-CBR04C-MFG 3191.09,-1636.08 r90 top value="16 pF"
C450 "16pF_50V_0402" FP-CBR04C-MFG 3190.65,-1490.77 r270 top value="16 pF"
C451 "0.1uF_25V_0402" FP-0402-L_1_0_1-W_0_5_0_1-IPC_C 2599.33,-3179.33 r180 bottom
C452 "16pF_50V_0402" FP-CBR04C-MFG 2272.43,-1535.05 r90 top value="16 pF"
C453 "16pF_50V_0402" FP-CBR04C-MFG 2277.56,-1390.5 r270 top value="16 pF"
C455 "16pF_50V_0402" FP-CBR04C-MFG 2313.6,-2240.09 r180 top value="16 pF"
C456 "16pF_50V_0402" FP-CBR04C-MFG 2064.56,-2243.16 r0 top value="16 pF"
C457 "10nF_50V_0402" FP-CC0402-MFG 4687.97,-2775.48 r270 top value="10 nF"
C458 "0.1uF_25V_0402" FP-0402-L_1_0_1-W_0_5_0_1-IPC_C 4393.5,-2472.62 r90 top
C459 "4.7uF_16V_0402" FP-CL829-IPC_C 4393.5,-2469.66 r90 bottom
C460 "47pF_50V_0402" CAPC1005X55X25LL05T10 4643.33,-2533.76 r0 top